# Altium PCB Working.PcbDoc (continued)
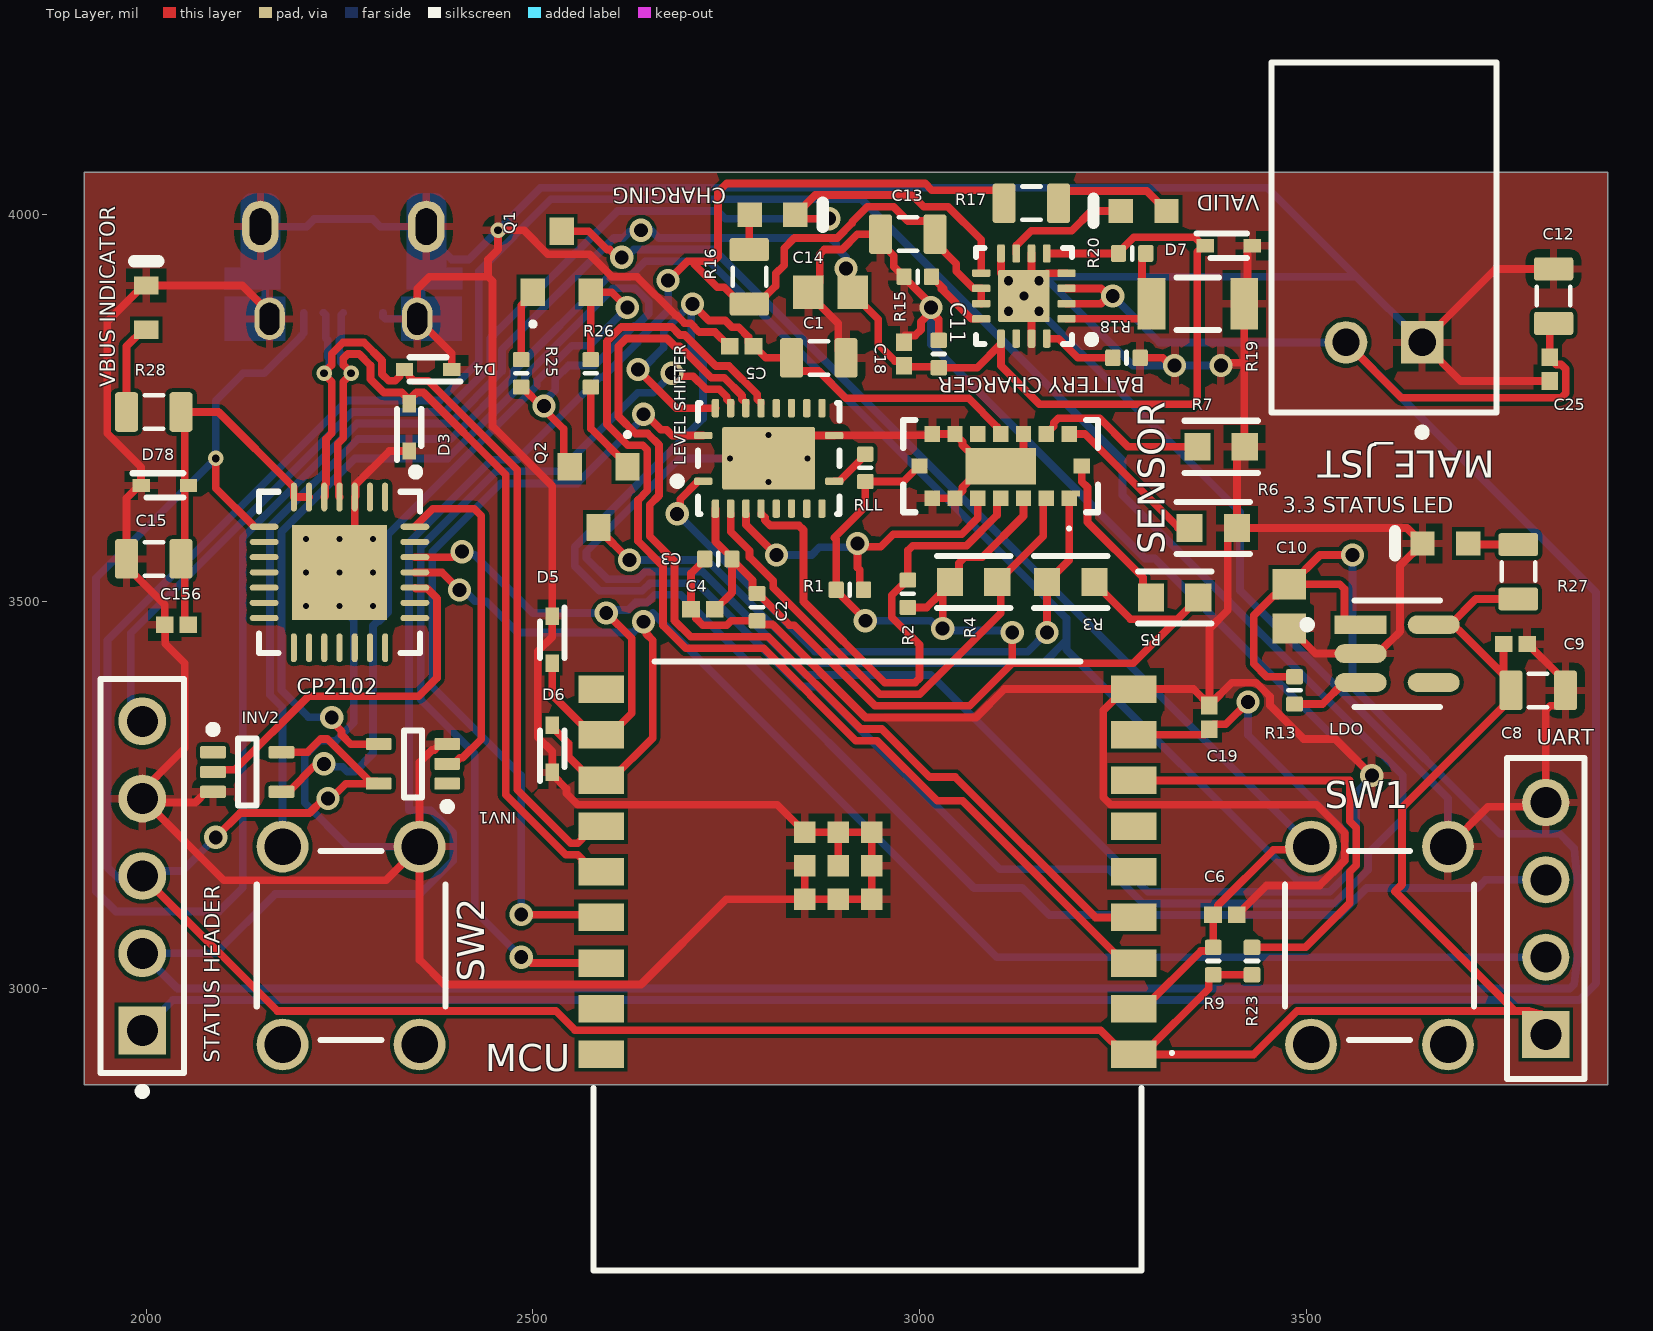
[diagram p0: Top Layer view]
## Part data (continued)
CHARGING VALID: library part CMP-007-00022-2, "LED Uni-Color Green, 100 mW, 30 mA, -55 to 85 degC, 2-Pin SMD, RoHS, Tape and Reel", Case/Package=0603, Colour=Green, Forward Current=20mA, Forward Voltage=2.1V, Manufacturer=Lite-On, Max Operating Temperature=85°C, Min Operating Temperature=-55°C, Package Description="2-Pin Surface Mount Device, Body 1.6 x 0.8 mm", Package Quantity=3000, Package Reference=C190GKT, Power=100mW, Datasheet URL=http://datasheet.octopart.com/LTST-C190GKT-Lite-On-datasheet-158530.pdf, Datasheet Version=Dec-06, Illumination Colour=Green, Lens Style=Clear, Luminous Intensity=6mcd, Manufacturer URL=http://www.us.liteon.com/, Mounting Technology=SM, Nominal Vf=2.1V, Packaging=TapeandReel, Pins=2, RoHS Compliant=True, Viewing Angle=130degrees
CP2102: library part CMP-053-000000-1, "Single-Chip USB to URAT Bridge, 3.3 V, -40 to 85 degC, 28-Pin QFN, RoHS, Tape and Reel", Manufacturer="Silicon Labs", Operating Supply Voltage (Max)=3.6V, Operating Supply Voltage (Min)=3V, Operating Supply Voltage (Typ)=3.3V, Operating Temperature (Max)=85C, Operating Temperature (Min)=-40C, Operating Temperature Classification=Industrial, Package Description="28-Pin Quad-Flat No-Leads Package, Body 5 x 5 mm, Pitch 0.5 mm", Package Reference=QFN-28, Package Type=QFNEP, Supply Current=26mA, Component Type=Standard, Data Rate=1000kbps, Datasheet URL=http://www.mouser.com/ds/2/368/CP2102-9-247052.pdf, Datasheet Version="Rev. 1.6, 12/2013", Design Item ID=CMP-2000-04924-1, Interface Circuit Standard 1=RS-232, Manufacturer URL=http://www.silabs.com/, Mounting=SurfaceMount, Number of Channels=1, Package URL=http://www.silabs.com/Support%20Documents/TechnicalDocs/C8051T61x.pdf, Packaging=TapeandReel, Pin Count=28, Rad Hardened=No, Source=CP2102UART.SchLib, Transmitter and Receiver FIFO Counter=No
D3 D4 D5 D6 D7 D78: library part CMP-004-00037-1, "ESD Suppressor Diode TVS Bi-Dir 4.7V 2-Pin SC-79", Manufacturer_Name="ProTek Devices", Arrow Part Number=RSB6.8S, Arrow Price/Stock=https://www.arrow.com/en/products/rsb6.8s/protek-devices?region=nac, Datasheet Link=https://static6.arrow.com/aropdfconversion/672096323c96f449a08c56f24341099c7ad028a0/rsb6_8s.pdf, Design Item ID=RSB6.8S, Height=0.7mm, Manufacturer_Part_Number=RSB6.8S, Source=SamacSys.SchLib
INV1 INV2: library part CMP-097-000000-1, "Single Schmitt-Trigger Inverter, DCK0005A, LARGE T&R", F @ Nom Voltage(Max)(Mhz)=150, Generic Part Number=SN74LVC1G14, ICC @ Nom Voltage(Max)(mA)=0.01, Manufacturer="Texas Instruments", Operating Temperature Range(C)="-40 to 125,-40 to 85", Rating=Catalog, tpd @ Nom Voltage(Max)(ns)=11,6.5,5.5,5, Voltage(Nom)(V)=182.5335kV, 3-State Output=No, Bits(#)=1, Component Type=Standard, DatasheetVersion=SCES218W, Design Item ID=CMP-0859-00440-4, Input Type=CMOS/TTL, Logic=Inverting, Output Drive (IOL/IOH)(Max)(mA)=32/-32, Output Type=CMOS, PackageReference=DCK0005A, Pin Count=5, Schmitt Trigger=Yes, Source=smallinverter.SchLib, Sub-Family="Inverting Buffer/Driver", Technology Family=LVC, VCC(Max)(V)=5.5, VCC(Min)(V)=1.65
LDO: library part CMP-12756-000035-1, "IC REG LINEAR 3.3V 600MA SOT25", Case/Package=SOT-23-5, Dropout Voltage=250mV, Max Input Voltage=6V, Max Operating Temperature=85°C, Max Output Current=600mA, Min Input Voltage=2.5V, Min Operating Temperature=-40°C, Output Voltage=3.3V, Package Quantity=1, Quiescent Current=55uA, Accuracy=1.5%, Height=1.3mm, Lead Free="Lead Free", Length=3.1mm, Mount="Surface Mount", Number of Outputs=1, Number of Pins=5, Number of Regulators=1, Output Current=600mA, Output Type=Fixed, Packaging="Tape and Reel", Polarity=Positive, Width=1.7mm
"LEVEL SHIFTER": library part CMP-04899-000066-1, "IC TRNSLTR BIDIRECTIONAL 20VQFN", Case/Package=VQFN, High Level Output Current=-50mA, Low Level Output Current=50mA, Max Operating Temperature=85°C, Max Supply Voltage=5.5V, Min Operating Temperature=-40°C, Min Supply Voltage=1.2V, Package Quantity=1, Quiescent Current=3uA, Data Rate=60Mbps, Lead Free="Lead Free", Logic Function=Translator, Mount="Surface Mount", Number of Bits=8, Number of Channels=8, Number of Inputs=8, Number of Pins=20, Output Type=Voltage, Packaging="Tape and Reel", Propagation Delay=4.8ns, Radiation Hardening=No, REACH SVHC="No SVHC", RoHS Compliant=Yes, Series=-, Turn-On Delay Time=312ns, Weight=0.001517oz
MALE_JST: library part CMP-002-00032-2, "Male Header, Pitch 2.5 mm, 1 x 2 Position, Height 6.1 mm, Tail Length 3.4 mm, -25 to 85 degC, RoHS, Bulk", Manufacturer=JST, Max Operating Temperature=85°C, Min Operating Temperature=-25°C, Package Description="XH Series Disconnectable Crimp Style Connector, Pitch 2.5 mm, 1 x 2 Position, Height 6.1 mm, Tail Length 3.4 mm", Case/Package=S2B-XH-A(LF)(SN), Connector Type=Header, Datasheet URL=http://www.jst-mfg.com/product/pdf/eng/eXH.pdf, Datasheet Version=May-16, Gender=Male, Manufacturer URL=http://www.jst.com/home2.html, Mounting Technology=TH, Package Reference=S2B-XH-A(LF)(SN), RoHS Compliant=Unknown
MCU: "Integrated Circuit", Manufacturer_Name="Espressif Systems", Mouser Part Number=356-ESP32C3WROOM02H4, Datasheet Link=https://www.mouser.in/datasheet/2/891/Espressif_Systems_04082021_ESP32_C3_WROOM_02-2295851.pdf, Height=3.35mm, Manufacturer_Part_Number=ESP32-C3-WROOM-02-H4, Mouser Price/Stock=https://www.mouser.co.uk/ProductDetail/Espressif-Systems/ESP32-C3-WROOM-02-H4?qs=stqOd1AaK79%2FSA14oWtR%252Bw%3D%3D
Q1 Q2: "Integrated Circuit", Manufacturer_Name=LRC, Datasheet Link=https://datasheet.datasheetarchive.com/originals/distributors/Datasheets-28/DSA-558356.pdf, Height=1.11mm, Manufacturer_Part_Number=L8050QLT1G
R1 R2: library part CMP-009-00166-3, "Chip Resistor, 2,2 kOhms, +/-5 %, 63 mW, -55 to 155 degC, 0402", Case/Package=0402, Max Operating Temperature=155°C, Min Operating Temperature=-55°C, Power=63mW, Tolerance=5%, Pins=2
R3 R4 R5 R6 R7: library part CMP-03412-046943-1, "RES 47kΩ 1.00% 0.2W 0603"
R9 R13 R20 R23 R25 R26 RLL: library part CMP-009-00149-3, "Chip Resistor, 10 kOhms, +/-1 %, 63 mW, -55 to 125 degC, 0402", Case/Package=0402, Max Operating Temperature=155°C, Min Operating Temperature=-55°C, Power=63mW, Tolerance=1%, Pins=2
R15: library part CMP-009-00145-3, "Chip Resistor, 3 kOhms, +/-1 %, 63 mW, -55 to 155 degC, 0402", Case/Package=0402, Max Operating Temperature=155°C, Min Operating Temperature=-55°C, Power=63mW, Tolerance=1%, Pins=2
R16 R17 R27 R28: library part CMP-009-00118-3, "Chip Resistor, 1 kOhms, +/-5%, 125 mW, -55 to 155 degC, 0805", Case/Package=0805, Max Operating Temperature=155°C, Min Operating Temperature=-55°C, Power=125mW, Tolerance=5%, Pins=2
R18: library part CMP-009-00138-3, "Chip Resistor, 2 kOhms, +/-5 %, 63 mW, -55 to 155 degC, 0402", Case/Package=0402, Max Operating Temperature=155°C, Min Operating Temperature=-55°C, Power=63mW, Tolerance=5%, Pins=2
R19: library part CMP-00030-87848304-1, "PLTU1206U2501LST5 Res SMD 2.5K Ohm 0.01% 0.4W 1206", Case Code (Imperial)=1206, Case Code (Metric)=3016, Max Operating Temperature=125°C, Max Power Dissipation=400mW, Min Operating Temperature=-55°C, Resistance=2.5kΩ, Temperature Coefficient=2ppm/°C, Tolerance=0.01%, Voltage Rating=200V, Case/Package=1206, Composition="Thin Film", Features="Moisture Resistant", Height=838.2µm, Length=3.2004mm, NexarPartId=87848304, Number of Terminations=2, Power Rating=400mW, RoHS=Compliant, Width=1.6002mm
SENSOR: "Undefined or Miscellaneous", Arrow Part Number=VL53L8CXV0GC/1, Manufacturer_Name=STMicroelectronics, Mouser Part Number=511-VL53L8CXV0GC/1, Arrow Price/Stock=https://www.arrow.com/en/products/vl53l8cxv0gc1/stmicroelectronics?utm_currency=USD&region=europe, Datasheet Link=https://www.st.com/resource/en/datasheet/vl53l8cx.pdf, Manufacturer_Part_Number=VL53L8CXV0GC/1, Mouser Price/Stock=https://www.mouser.co.uk/ProductDetail/STMicroelectronics/VL53L8CXV0GC-1?qs=T%252BzbugeAwjhc9idkQC%252BF8g%3D%3D
"STATUS HEADER": library part CMP-002-00072-1, "22-28-4050 KK® 254 Breakaway Header, Vertical, 5 Circuits, Tin (Sn) Plating, Mating Pin Length 6.09mm", Color=Black, Contact Resistance=20mO, Current Rating=4A, Flammability Rating="UL94 V-0", Max Operating Temperature=75°C, Min Operating Temperature=0°C, Voltage Rating=250.25kV, Voltage Rating (DC)=250V, Component Type=Standard, Connector Type="Male Pin", Contact Material=Brass, Contact Mating Length=6.096mm, Contact Plating=Tin, Design Item ID=CMP-00257-00278173-1, Gender=Male, Glow Wire Compliant=Non-compliant, Height=2.29mm, Housing Color=Black, Housing Material=Thermoplastic, Lead Free="Lead Free", Lead Pitch=2.54mm, Length=12.7mm, Mount="Through Hole", NexarPartId=278173, Number of Circuits=5, Number of Contacts=5, Number of Positions=5, Number of Rows=1, Orientation=Vertical, Packaging=Bulk, Pins=5, Pitch=2.54mm, Radiation Hardening=No, REACH SVHC=Unknown, RoHS=Compliant, Schedule B=8536694040, Source=5pin.SchLib, Termination=Solder, Width=2.49mm
SW1 SW2: library part CMP-011-00002-2, "Tactile Switch, SPST, 12 V, 50 mA, -20 to 80 degC, 4-Pin THD", Manufacturer="Shenzhen Best", Package Description="4-Pin Through Hole Device, Body 6.2 x 6.2 mm", Case/Package=TS-1109, Datasheet URL=http://datasheet.octopart.com/TS-1109-Best-Inc.-datasheet-30458100.pdf, Datasheet Version=Dec-12, Manufacturer URL=www.best-dz.com/, Mounting Technology=TH, Package Reference=TS-1109, RoHS Compliant=Unknown
UART: library part CMP-1024-00357-1, "0.025\" SQ Post Header, Through-hole, Vertical, -55 to 125 degC, 2.54 mm Pitch, 4-Pin, Male, RoHS", Manufacturer=Samtec, Temperature Range="-55 to 125 degC", ComponentLink1Description="Manufacturer URL", ComponentLink1URL=http://www.samtec.com, ComponentLink2Description=Datasheet, ComponentLink2URL=http://www.samtec.com/documents/webfiles/pdf/TSW_TH.PDF, ComponentLink3Description="Package Specification", ComponentLink3URL=http://www.samtec.com/documents/webfiles/cpdf/TSW-XXX-XX-XXX-X-XX-XXX-MKT.pdf, DatasheetVersion=F-214, Mounting Technology=Through-hole, Orientation=Vertical, PackageDescription=".025[0.64] SQ. Post Terminal Strip Assembly", PackageReference=TSW-104-08-X-S, PackageVersion="DM, 8/1988", PartNumber=TSW-104-08-G-S, Pitch="2.54 mm", RoHS=True
"USB MICRO": library part CMP-002-00038-2, "Micro USB 2.0 B Receptacle, 5 Position, Height 3.24 mm, -55 to 85 degC, RoHS, Tape and Reel", Case/Package=FCI-10103594-0001LF, Current Rating=1.8A, Manufacturer="FCI Electronics", Max Operating Temperature=85°C, Min Operating Temperature=-55°C, Package Description="5-Pin Surface Mount Device, Body 8.04 x 5.62 mm", Package Quantity=1500, Voltage Rating=100V, Connector Type=USB, Contact Material=Copper, Contact Plating=Gold, Datasheet URL=http://portal.fciconnect.com/Comergent//fci/drawing/10103594.pdf, Datasheet Version="Rev. A, 06/2010", Gender=Female, Lead Pitch=0.65mm, Manufacturer URL=http://portal.fciconnect.com/, Mounting Technology=SM, Package Reference=FCI-10103594-0001LF, Packaging=TapeandReel, Pins=5, RoHS Compliant=True
"VBUS INDICATOR": library part CMP-007-00030-2, "Red Led, 20mA, 2.1 V, -40 to 100 degC, 2-Pin SMD (0603), RoHS, Tape and Reel", Case/Package=0603, Colour=Red, Forward Current=20mA, Forward Voltage=2.1V, Manufacturer="Vishay Semiconductor", Max Operating Temperature=100°C, Min Operating Temperature=-40°C, Package Description="2-Pin Surface Mount Device, Body 1.6 x 0.8 mm", Package Quantity=3000, Package Reference=TLMX1100, Power=90mW, Datasheet URL=http://www.vishay.com/docs/83173/tlmb1100.pdf, Datasheet Version="Rev. 2.7, 03/2016", Illumination Colour=Red, Lens Style=Clear, Luminous Intensity=63mcd, Manufacturer URL=http://www.vishay.com/, Mounting Technology=SM, Nominal Vf=2.1V, Packaging=TapeandReel, Pins=2, RoHS Compliant=True, Viewing Angle=160degrees

## Via types
v1: diameter 30, hole 18, Top Layer to Bottom Layer, 36 vias
v2: diameter 19.68, hole 7.87, Top Layer to Bottom Layer, 13 vias
v3: diameter 19.68, hole 11.81, Top Layer to Bottom Layer, 5 vias
v4: diameter 20, hole 10, Top Layer to Bottom Layer, 4 vias

## Nets (pads, with @x,y where several pads share a name; then routed paths per layer and width w, separated by ;. In a path a pad name is that pad's centre, name@x,y a point inside that pad or via, vN(x,y) a via of type N, cw(c..) or ccw(c..) an arc to the next point about the centre after c; other vN are vias at no path point)
1.8V: "LEVEL SHIFTER.2" C2.2 C3.1 C4.1 R1.1 R2.1 R3.2 R4.2 R5.1 RLL.1 SENSOR.A3 SENSOR.B7 | length 1841.6
  Top Layer w10: C4.1 2736.14,3490 2757.72,3511.57 C3.1@2757.72,3554.02 ; 2736.1,3620.04 2736.1,3577.6 2757.72,3555.98 C3.1@2757.72,3554.02 ; v1(2930,3475) 2930,3476.3 2892.28,3514.02 R1.1 2892.28,3580.12 2890,3582.4 2930,3622.4 RLL.1 2979.27,3655 2995.89,3671.61 SENSOR.B7@2996.57,3671.61 ; R2.1 3009.46,3492.28 3027.52,3510.34 3027.52,3512.04 R4.2@3039.95,3524.47 ; v1(3030,3465) 3030,3514.53 R4.2@3039.95,3524.47 ; v1(3120,3460) 3120,3420 ; SENSOR.A3 3134.53,3610.47 3081.06,3557.01 3058.48,3557.01 3050.98,3549.51 3050.98,3533.81 3045.2,3528.02 3043.5,3528.02 R4.2@3039.95,3524.47 ; R3.2 3226.16,3523.95 3273.06,3477.04 3333.68,3477.04 ; R5.1 3360.58,3503.95 3333.68,3477.04 ; C3.1@2757.72,3554.02 2784.17,3527.56 2784.17,3515.28 2789.02,3510.43 C2.2 2790.98,3510.43 2832.05,3469.37 2838.2,3469.37 2942.57,3365 3065,3365 3120,3420 ; 3120,3420 3276.63,3420 3333.68,3477.04
  Bottom Layer w10: v1(2930,3475) 3014.59,3475 3024.59,3465 v1(3030,3465) 3032.5,3462.5 3117.5,3462.5 v1(3120,3460)
3.3V: "LEVEL SHIFTER.19" "STATUS HEADER.3" C1.1 C5.1 C8.2 C9.2 INV1.5 INV2.5 LDO.5 MCU.1 R9.2 R23.1 R27.1 SENSOR.C4 UART.1 | length 8611.1
  Top Layer w10: 1995,3145 2169.49,2970.51 2529.68,2970.51 2554.64,2945.55 3234.13,2945.55 3265.47,2914.21 MCU.1 ; v1(2090,3195) 2121.42,3226.42 2211.16,3226.42 2229.74,3245 v1(2235,3245) 2238.61,3245 2258.02,3264.41 2294.96,3264.41 2297.83,3267.28 2288.98,3267.28 2234.04,3322.22 2225.76,3322.22 2208.54,3305 INV2.5 ; v1(2635.83,3800) 2685.87,3749.96 2736.1,3749.96 ; v1(2706.65,3884.64) 2706.65,3884.41 2727.75,3863.31 2748.75,3863.31 2757.59,3854.47 2766.36,3854.47 2778.94,3841.9 2778.94,3835.63 2784.57,3830 C5.1 2786.14,3830 2801.14,3815 C1.1 2834.57,3808.11 2844.53,3798.15 2869.39,3798.15 2904.87,3762.67 3063.58,3762.67 3100.16,3726.09 3100.16,3721.5 SENSOR.C4 ; R23.1 R9.2 3379.02,3017.28 3374.17,3012.44 3374.17,2999.29 3289.09,2914.21 3432.11,2914.21 3488.41,2970.51 3769.49,2970.51 ; LDO.5 3690.59,3470 3690.59,3469.75 3697.46,3462.88 3697.71,3462.88 C8.2@3755.28,3405.31 ; LDO.5@3686.48,3470 3719.63,3503.15 R27.1 ; C8.2@3755.38,3405.31 C9.2 ; C8.2 3764.96,3374.37 3623.96,3233.37 3623.96,3133.96 3615,3125 3769.49,2970.51 ; UART.1@3803.63,2965.51 UART.1@3829.14,2940 ; UART.1@3803.63,2966.37 3787.77,2970.51 3769.49,2970.51 ; UART.1 UART.1@3810,2953.27
  Bottom Layer w10: 1980,3140 1965.98,3140 1950,3155.98 1950,3449.85 2260.15,3760 2380,3760 2430,3810 2430,3926.72 2523.28,4020 2925,4020 3262.5,3682.5 3262.5,3637.5 3625,3275 3625,3218.85 3579.97,3173.82 3579.97,3152.61 3536.85,3109.49 3288.93,3109.49 3244.75,3153.67 3103.9,3153.67 2867.57,3390 2846.36,3390 2712.65,3523.71 2651.64,3523.71 2641.64,3513.71 2586.29,3513.71 2554.14,3545.86 2554.14,3570.36 2720,3736.21 2720,3810.36 2705,3825.36 2705,3885 2669.38,3849.38 2669.38,3828.56 2640.83,3800 v1(2635.83,3800) ; 1995,3145 2001.32,3151.32 2046.32,3151.32 v1(2090,3195)
BOOT: C19.2 MCU.8 Q2.3 SW2.2 | length 3435.8
  Top Layer w10: Q2.3 2585,3593.66 2624.95,3553.71 v1(2625.08,3553.71) ; MCU.8 3368.74,3327.6 3375,3333.86 C19.2 3375,3335.43 3380.63,3341.06 3396.06,3341.06 v1(3425,3370)
  Bottom Layer w10: SW2.2 2176.42,3362.78 2160,3379.2 2160,3596.21 2273.79,3710 2393.64,3710 2475,3791.36 2475,3797.43 2597.57,3920 2625.36,3920 2645.36,3940 2728.16,3940 3190,3478.16 3190,3449.64 ; v1(2625.08,3553.71) 2725.08,3553.71 2858.79,3420 3160.36,3420 3190,3449.64 ; v1(3425,3370) 3425,3327.21 3549.88,3202.33 3549.88,3164.95 3524.42,3139.49 3488.41,3139.49 3190,3437.9 3190,3449.64
chargerstatus: "BATTERY CHARGER.9" "STATUS HEADER.5" CHARGING.2 | length 1636.7
  Top Layer w10: CHARGING.2 CHARGING.2@2843.81,4004.28 ; v1(2883.19,3995) 2850.28,3995 2843.81,4001.46 CHARGING.2@2843.81,4004.28 ; 3079.88,3924.53 3079.88,3967.66 3036.95,4010.59 3005.66,4010.59 2991.25,4025 2975,4025 2974.41,4025.59 2865.12,4025.59 CHARGING.2@2843.81,4004.28
  Bottom Layer w10: 1980,3340 1980,3458.64 2266.36,3745 2386.21,3745 2445,3803.79 2445,3840.36 2609.64,4005 2738.71,4005 2748.71,3995 v1(2883.19,3995)
DATA_N: "USB MICRO.2" CP2102.5 D4.2 MCU.13 | length 1186.7
  Top Layer w10: CP2102.5 2231.38,3636.06 2231.38,3650.83 2232.66,3652.11 2232.66,3710.04 2240,3717.38 2240,3784.14 2230,3794.14 v4(2230,3795) 2230,3795.86 2240,3805.86 2240,3820.36 2254.64,3835 2281.57,3835 2305,3811.57 2305,3793.87 2313.61,3785.26 2321.9,3785.26 2327.76,3791.11 2327.76,3796.34 2331.42,3800 D4.2 2336.54,3800 2340.2,3796.34 2340.2,3791.11 2346.05,3785.26 2364.87,3785.26 2480,3670.13 2480,3256.41 2548.95,3187.46 2557.92,3187.46 2563.78,3193.32 2563.78,3196.77 2576.5,3209.49 MCU.13
  Bottom Layer w10: 2229.41,3873.5 2232.28,3870.63 2232.28,3840.62 2234.7,3838.2 2234.7,3816.12 2236.68,3814.14 2236.68,3804.39 2230,3797.71 v4(2230,3795)
DATA_P: "USB MICRO.3" CP2102.4 D3.2 MCU.14 | length 1164.6
  Top Layer w10: CP2102.4 2248.94,3636.06 2248.94,3650.83 2247.66,3652.11 2247.66,3703.83 2255,3711.17 2255,3784.14 2265,3794.14 v4(2265,3795) 2265,3795.86 2255,3805.86 2255,3814.14 2260.86,3820 2275.36,3820 2290,3805.36 2290,3787.66 2307.4,3770.26 2330.48,3770.26 2336.34,3764.4 2336.34,3759.17 D3.2 2343.66,3759.17 2343.66,3764.4 2349.52,3770.26 2358.66,3770.26 2465,3663.92 2465,3250.2 2542.73,3172.46 2557.92,3172.46 2563.78,3166.6 2563.78,3163.15 2576.5,3150.43 MCU.14
  Bottom Layer w10: 2255,3873.5 2252.13,3870.63 2252.13,3840.62 2249.7,3838.2 2249.7,3822.33 2251.68,3820.36 2251.68,3809.17 2265,3795.86 v4(2265,3795)
DTR: INV1.4 Q2.2 R25.1 | length 1324.3
  Top Layer w10: v1(2240,3350) 2240,3344.59 2252.68,3331.91 2252.68,3327.32 2264.7,3315.3 2300.41,3315.3 INV1.4 ; R25.1 2485.98,3777.28 v1@2512.34,3750.92 ; v1(2514.35,3752.93) 2514.35,3748.58 2540,3722.93 2540,3681.97 Q2.2
  Bottom Layer w10: v1(2240,3350) 2239.59,3350.41 2210,3350.41 2175,3385.41 2175,3590 2270,3685 2389.85,3685 2490,3785.15 2490,3791.21 2603.79,3905 2632.57,3905 2650,3887.57 2650,3872.43 2634.13,3856.55 2631.2,3856.55 2579.64,3805 2546.21,3805 2529,3787.78 2529,3772.99 2514.35,3758.34 v1(2514.35,3752.93)
EN_ESP: C6.2 MCU.2 Q1.3 R9.1 SW1.2 | length 1651.9
  Top Layer w10: Q1.3 2572.47,3978.74 2596.21,3955 2599.59,3955 2609.59,3945 v1(2615,3945) ; MCU.2 3289.09,2973.27 3363.7,3047.87 3375.16,3047.87 R9.1 3379.82,3052.89 3379.82,3094.82 C6.2 3380.43,3095 3386.06,3100.63 3386.06,3106.9 3457.95,3178.79 3502.25,3178.79 SW1.2
  Bottom Layer w10: v1(2615,3945) 2620.41,3945 2630.41,3955 2734.37,3955 SW1.2
GND: "3.3 STATUS LED.2" "BATTERY CHARGER.4" "BATTERY CHARGER.6" "BATTERY CHARGER.8" "BATTERY CHARGER.15" "BATTERY CHARGER.17"@3135,3895 "LEVEL SHIFTER.11" "LEVEL SHIFTER.21" "STATUS HEADER.4" "USB MICRO.5" "USB MICRO.6" "USB MICRO.7" "USB MICRO.8" "USB MICRO.9" "USB MICRO.10" "USB MICRO.11" "VBUS INDICATOR.2" C1.2 C2.1 C3.2 C4.2 C5.2 C6.1 C8.1 C9.1 C10.1 C11.1 C12.2 C13.1 C14.1 C15.1 C18.1 C19.1 C25.1 C156.1 CP2102.3 CP2102.29 D3.1 D4.1 D5.1 D6.1 D7.2 D78.1 INV1.3 INV2.3 LDO.2 MALE_JST.1 MCU.9 MCU.19 MCU.20 MCU.21 MCU.22 MCU.23 MCU.24 MCU.25 MCU.26 MCU.27 R6.2 R7.2 R15.1 R18.2 R19.1 SENSOR.A6 SENSOR.A7 SENSOR.B4 SENSOR.C3 SENSOR.C6 SENSOR.C7 SW1.4 SW2.4 UART.4 | length 16107.8
  Top Layer w10: 1995,3245 2000,3240 ; C156.1 2023.91,3495.63 1985.13,3534.41 1984.53,3534.41 1974.57,3544.37 C15.1 1974.57,3633.33 1991.24,3650 D78.1 1993.4,3650.39 1993.4,3673.66 1949.61,3717.46 1949.61,3862.09 1996.06,3908.54 2000,3908.54 2124.29,3908.54 2159.53,3873.31 2159.53,3865.43 ; C156.1@2024.7,3470 2024.7,3445.3 2050,3420 2050,3310 1980,3240 2000,3240 ; INV2.3 2077.56,3253.82 2063.74,3240 2000,3240 ; CP2102.29@2256.38,3580.87 2269.68,3594.17 CP2102.3 2270.75,3636.06 2270.75,3650.85 2314.38,3694.49 D3.1 ; INV1.3 2380.43,3315.59 2372.72,3307.87 2369.57,3307.87 2353.58,3291.89 SW2.4 ; D4.1 2395,3820.91 2350.47,3865.43 2350.47,3904.02 2366.46,3920 2442.14,3920 ; C3.2 2722.28,3554.02 2704.65,3536.38 C4.2 2705.43,3490 2711.06,3484.37 2711.06,3478.1 2719.79,3469.37 2750.91,3469.37 2756.54,3475 C2.1 2794.84,3470.16 2810.05,3470.16 2930.2,3350 3073.15,3350 3109.81,3386.65 MCU.9@3265.47,3386.65 ; C5.2 2753.86,3830 2735.55,3848.31 2715.4,3848.31 2704.07,3859.64 2696.3,3859.64 2685.94,3870 2684.64,3870 2634.64,3920 2602.41,3920 2573.37,3949.04 2519.49,3949.04 2488.53,3980 v4(2455,3980) 2454.93,3979.93 2454.93,3955 2442.14,3942.22 2442.14,3920 ; v2@2805.98,3714.53 2889.65,3714.53 2889.92,3714.8 3014.57,3714.8 SENSOR.C7 SENSOR.C6 3045.94,3716.36 3055.63,3706.67 3055.63,3702.37 3061.49,3696.52 SENSOR.B4@3083.03,3675 ; MCU.20 MCU.21 ; MCU.19 MCU.26 ; C1.2 2895.08,3824.96 2895.08,3859.41 2856.46,3898.03 2871.14,3912.72 2871.14,3949.14 2877,3955 2899.76,3955 2919.76,3975 C13.1 2949.57,3964.37 2966.85,3947.09 2966.85,3933.15 R15.1 2980,3919.02 3015,3884.02 v1(3015,3880) ; C18.1 2981.18,3836.54 2981.18,3844.02 2994.7,3844.02 3002,3851.32 3002,3861.59 3015,3874.59 3025,3864.59 C11.1 ; SENSOR.A7 SENSOR.A6 3045.94,3633.64 3055.63,3643.33 3055.63,3647.63 3061.49,3653.48 SENSOR.B4@3083.03,3675 ; 3105.47,3950.12 3105.55,3950.04 3105.55,3924.45 v3(3115.31,3914.68) ; SENSOR.C3 3134.53,3693.62 3115.91,3675 SENSOR.B4 SENSOR.B4@3083.03,3675 ; 3144.84,3839.88 3144.84,3866.54 3153.62,3875.32 v3(3154.68,3875.32) ; 3144.84,3950.12 3144.84,3923.46 3153.62,3914.68 v3(3154.68,3914.68) 3164.45,3924.45 3190.04,3924.45 3190.12,3924.53 ; R18.2 3314.59,3815 3324.59,3805 v1(3330,3805) ; C19.1 C19.1@3375,3366.14 ; v1(3390,3805) 3393.83,3808.83 3418.83,3808.83 3420,3810 ; C6.1 3411.14,3095 3448.93,3132.79 3517.72,3132.79 3549.88,3164.95 3549.88,3200.96 3513.63,3237.2 3247.24,3237.2 3237.76,3246.68 3237.76,3358.94 MCU.9@3265.47,3386.65 ; R19.1 3420,3810 ; R19.1@3424.29,3885 3424.29,3956.34 3427.95,3960 D7.2 ; C10.1 3480.02,3465 3512.42,3432.6 LDO.2 3592.6,3432.6 3607.88,3447.88 3608.22,3447.88 3621.4,3461.06 3621.4,3545.92 3650.47,3575 3630.47,3595 R6.2 ; v1(3585,3275) 3537.84,3322.16 3496.75,3322.16 3453.41,3365.5 3453.41,3376.94 3435.36,3395 3403.86,3395 C19.1@3375,3366.14 ; SW1.4 3735.2,3234.57 3804.57,3234.57 UART.4 3810,3359.14 3815.86,3365 3825.47,3365 3835.43,3374.96 C8.1 3825.47,3394.96 3825.47,3406.4 3786.87,3445 C9.1 ; C25.1 3700,3785 MALE_JST.1 3745.04,3930.04 C12.2 ; 2000,3240 2100.51,3139.49 2310.12,3139.49 SW2.4 ; SW2.4 2353.58,3036.42 2385.39,3004.61 2639.93,3004.61 2750.32,3115 MCU.21 ; 2442.14,3920 2448,3914.14 2448,3726.36 2525,3649.36 D5.1 2525,3454.02 2506.34,3435.36 2506.34,3324.64 2525,3305.98 D6.1 2525,3276.42 2543.46,3257.96 2543.46,3252 2558.26,3237.2 2816.1,3237.2 MCU.27 MCU.26 ; MCU.21 MCU.22 MCU.23 MCU.24 MCU.25 MCU.26 ; MCU.9@3265.47,3386.65 MCU.9 3354.49,3386.65 C19.1@3375,3366.14 ; C19.1@3375,3366.14 3375,3465.07 3398.68,3488.75 3398.68,3583.1 R6.2 ; R6.2 3410.58,3690 R7.2 3420,3700.58 3420,3810
  Bottom Layer w10: 2153.91,3871.05 2153.91,3978.53 2147.72,3984.72 2207.26,3984.72 2217.11,3994.57 2292.89,3994.57 2302.74,3984.72 2362.28,3984.72 ; v2(2250,3494.25) 2268.4,3475.85 2268.4,3343.05 2245.36,3320 2224.64,3320 2205,3300.36 2205,3239.64 2261.69,3182.95 SW2.4 ; 2306.18,3873.5 2306.18,3868.31 2309.06,3865.43 2350.47,3865.43 ; 2356.09,3871.05 2356.09,3978.53 2362.28,3984.72 ; v2(2805,3654.49) 2833.66,3683.15 2853.34,3683.15 v2(2855.2,3685) 2853.34,3686.85 2833.66,3686.85 ; v2(2805,3715.51) 2776.34,3686.85 2756.66,3686.85 v2(2754.8,3685) 2690,3685 2569.28,3564.28 2569.28,3555.99 2596.56,3528.71 2635.43,3528.71 2645.43,3538.71 2718.86,3538.71 2852.57,3405 3014.63,3405 3295.14,3124.49 3530.63,3124.49 3564.88,3158.74 3564.88,3252.69 3585,3272.81 v1(3585,3275) 3304.44,3555.56 3291.73,3555.56 3015,3832.29 v1(3015,3880) ; v3(3115.31,3914.68) 3117.94,3914.68 3123.25,3920 3154.68,3920 3565,3920 ; v3(3154.68,3875.32) 3414.61,3615.39 3414.61,3514.17 3683.58,3245.2 SW1.4 ; v3(3154.68,3914.68) 3166.42,3914.68 3276.1,3805 v1(3330,3805) v1(3390,3805) ; MALE_JST.1 3565,3920 ; 2362.28,3984.72 2362.28,3974.88 2394.95,3942.22 2417.22,3942.22 v4(2455,3980) 2510,4035 3450,4035 3565,3920
  other v2: 2206.69,3494.25 2293.31,3494.25 2206.69,3537.56 2250,3537.56 2293.31,3537.56 2206.69,3580.87 2250,3580.87 2293.31,3580.87
  other v3: 3115.31,3875.32 3135,3895
i2c: R6.1 SENSOR.C1 | length 191.8
  Top Layer w10: SENSOR.C1 3213.82,3716.65 3334.42,3596.05 R6.1@3334.42,3595
INT: "LEVEL SHIFTER.20" MCU.15 | length 1059.3
  Top Layer w10: v1(2485,3095) 2584.68,3095 MCU.15 ; v1(2643.27,3742.09) 2645.84,3742.09 2665.77,3722.16 2672.84,3722.16 2680.47,3714.53 2720.35,3714.53
  Bottom Layer w10: v1(2485,3095) 2485,3274.78 2370,3389.78 2370,3564.14 2458.52,3652.66 2557.66,3652.66 2643.27,3738.27 v1(2643.27,3742.09)
INT_s: "LEVEL SHIFTER.1" R3.1 SENSOR.1 SENSOR.A1 | length 800.7
  Top Layer w10: v1(2686.71,3613.29) 2690.54,3617.12 2690.54,3632.19 2713.54,3655.2 ; v1(3165,3460) R3.1 3193.58,3553.58 SENSOR.A1
  Bottom Layer w10: v1(2686.71,3613.29) 2865,3435 3140,3435 v1(3165,3460)
LPN: "LEVEL SHIFTER.18" MCU.16 | length 1202.7
  Top Layer w10: v1(2485,3040) 2490.41,3040 2498.09,3032.32 MCU.16 ; v1(2680.18,3795.18) 2684,3791.35 2707.21,3791.35 2724.19,3774.37 2741.21,3774.37 2750.83,3764.75 2750.83,3761.46 2755.51,3756.77
  Bottom Layer w10: v1(2485,3040) 2425,3100 2425,3302.88 2355,3372.88 2355,3570.36 2452.93,3668.28 2534.11,3668.28 2635.83,3770 2655.86,3770 2680.18,3794.32 v1(2680.18,3795.18)
LPN_s: "LEVEL SHIFTER.3" R4.1 SENSOR.A2 | length 685.9
  Top Layer w10: 2755.79,3613.23 2755.79,3590.3 2780.35,3565.73 2780.35,3557.08 2810.83,3526.61 2810.83,3517.96 2948.79,3380 3000.36,3380 3105,3484.64 3105,3529.42 3159.92,3584.34 3159.92,3629.22 SENSOR.A2
"Net3.3 STATUS LED_1": "3.3 STATUS LED.1" R27.2 | length 65.5
  Top Layer w10: 3709.53,3575 3710.91,3573.62 R27.2
"NetBATTERY CHARGER_1": "BATTERY CHARGER.1" R19.2 R20.1 | length 193.8
  Top Layer w10: 3190.12,3865.47 3287,3865.47 3300,3878.47 R19.2 3287.87,3897.13 3287.87,3945.16 R20.1
"NetBATTERY CHARGER_7": "BATTERY CHARGER.7" VALID.2 | length 163.9
  Top Layer w10: 3125.16,3950.12 3125.24,3950.2 3125.24,3960.23 3144.41,3979.41 3196.91,3979.41 3222.5,4005 VALID.2
"NetBATTERY CHARGER_12": "BATTERY CHARGER.12" R15.2 | length 92.5
  Top Layer w10: R15.2 3031.26,3904.17 3028.54,3904.17 3067.17,3865.55 3079.8,3865.55 3079.88,3865.47
"NetBATTERY CHARGER_16": "BATTERY CHARGER.16" R18.1 | length 95.8
  Top Layer w10: 3164.53,3839.88 3180,3839.88 3204.88,3815 R18.1
NetC15_2: C15.2 C156.2 CP2102.6 CP2102.7 D78.2 R28.2 | length 496
  Top Layer w10: C15.2@2039.83,3555 2049.93,3565.1 2049.93,3646.34 D78.2@2053.59,3650 ; C15.2@2049.83,3545 2049.83,3474.79 C156.2 ; D78.2 D78.2@2053.59,3650 ; CP2102.6 CP2102.7 2190.94,3647.64 2093.58,3745 R28.2 2049.93,3740.11 2049.93,3653.66 D78.2@2053.59,3650
"NetCHARGING STATUS LED_1": CHARGING.1 R16.2 | length 44.9
  Top Layer w10: R16.2@2780.47,3955.51 2780,3955.98 2780,3999.53 CHARGING.1
NetCP2102_24: CP2102.24 INV2.2 | length 477.4
  Top Layer w10: INV2.2 2089.29,3282.28 2114.69,3282.28 2209.91,3377.51 2352.51,3377.51 2376.14,3401.14 2376.14,3503.96 2363.29,3516.81 2348.5,3516.81 CP2102.24
NetCP2102_28: CP2102.28 INV1.2 | length 445.5
  Top Layer w10: CP2102.28 2370.83,3620 2424.14,3620 2433.31,3610.83 2433.31,3322.02 2409.01,3297.72 2405.87,3297.72 2398.15,3290 INV1.2
NetLDO_3: LDO.3 R13.2 | length 97
  Top Layer w10: R13.2 3521.07,3367.28 3548.99,3395.2 LDO.3
"NetLEVEL SHIFTER_10": "LEVEL SHIFTER.10" RLL.2 | length 56.1
  Top Layer w10: 2889.65,3655.47 2896.18,3655.47 2924.17,3683.46 2924.17,3685.59 2929.02,3690.43 RLL.2
NetMCU_7: MCU.7 R23.2 | length 594.9
  Top Layer w10: MCU.7 3556.46,3268.54 3556.46,3215.59 3564.88,3207.17 3564.88,3158.74 3556.46,3150.31 3556.46,3110.02 3499.16,3052.72 R23.2
NetQ1_1: Q1.1 R25.2 | length 93.5
  Top Layer w10: R25.2 2485,3883.03 2500,3898.03 Q1.1
NetQ2_1: Q2.1 R26.2 | length 126.1
  Top Layer w10: R26.2@2577.5,3779.78 R26.2 2575,3723.74 2622.4,3676.34 Q2.1
NetR5_2: R5.2 SENSOR.B1 | length 207
  Top Layer w10: SENSOR.B1 3210.04,3654.97 3217.36,3647.65 3217.36,3602.64 3289.17,3530.83 3289.17,3515.25 R5.2
NetR7_1: R7.1 SENSOR.C2 | length 221.6
  Top Layer w10: SENSOR.C2 3164.06,3716.95 3173.74,3726.63 3173.74,3730.93 3179.6,3736.79 3232.95,3736.79 3269.74,3700 R7.1
NetR17_2: R17.2 VALID.1 | length 160.1
  Top Layer w10: R17.2 3180,4020.79 3189.96,4030.75 3293.78,4030.75 VALID.1
NetR28_1: "VBUS INDICATOR.1" R28.1 | length 119.3
  Top Layer w10: R28.1 1974.57,3829.96 1996.06,3851.46 2000,3851.46
RTS: INV2.4 Q1.2 R26.1 | length 1017.5
  Top Layer w10: INV2.4 2177.87,3256.69 2186.73,3256.69 2216.21,3286.17 2226.17,3286.17 v1(2230,3290) ; R26.1 2575,3899.8 Q1.2 2602.22,3900 v1(2622.22,3880)
  Bottom Layer w10: v1(2230,3290) 2233.83,3286.17 2253.83,3286.17 2260,3280 2270,3280 2293.31,3303.31 2293.31,3468.55 2299.16,3474.41 2301.53,3474.41 2313.15,3486.03 2313.15,3587.08 2505,3778.93 2505,3785 2550.59,3830.59 2572.8,3830.59 v1(2622.22,3880)
RXD: CP2102.26 D5.2 MCU.11 UART.3 | length 2038.5
  Top Layer w10: CP2102.26 2395.75,3557.24 2402.9,3564.39 v1(2408.31,3564.39) ; D5.2 2525,3379.09 2576.5,3327.6 MCU.11 2600.12,3327.6 2627.83,3355.32 2627.83,3452.17 v1(2595,3485)
  Bottom Layer w10: v1(2408.31,3564.39) 2412.14,3560.57 2424.43,3560.57 2500,3485 v1(2595,3485) 2598.83,3488.83 2622.99,3488.83 2632.87,3498.71 2647.86,3498.71 2657.86,3508.71 2691.29,3508.71 3070.51,3129.49 3133.09,3129.49 3168.09,3094.49 3543.06,3094.49 3578.06,3129.49 3721.59,3129.49 3732.1,3140 UART.3@3830,3140
SCL: "LEVEL SHIFTER.17" MCU.4 | length 1362.7
  Top Layer w10: 2775.2,3756.77 2770.51,3761.46 2770.51,3766.28 2747.42,3789.37 2730.63,3789.37 2695,3825 2694.64,3825 2690,3829.64 2683.87,3829.64 2673.51,3840 2620.86,3840 2610.83,3829.97 2610.83,3739.17 2632.91,3717.09 2648.51,3717.09 2663.15,3702.44 2663.15,3636.94 2651.1,3624.9 2651.1,3584.25 2683.23,3552.13 2683.23,3475.23 2704.09,3454.37 2804.62,3454.37 2923.99,3335 2951.36,3335 3013.49,3272.87 3046.13,3272.87 3227.63,3091.38 MCU.4
SCL_s: "LEVEL SHIFTER.4" R1.2 SENSOR.A5 | length 438.4
  Top Layer w10: 2775.75,3613.23 2775.75,3599.25 v1(2815,3560) ; v1@2920,3570 2920.74,3570.74 2950,3570.74 2966.27,3587.01 3054.58,3587.01 3075.47,3607.9 SENSOR.A5 ; v1(2920,3575) 2920,3543.42 2922.87,3540.54 2922.87,3519.84 R1.2
  Bottom Layer w10: v1(2815,3560) 2860.59,3560 2870.59,3570 v1@2920,3570
SDA: "LEVEL SHIFTER.16" MCU.3 | length 1459.7
  Top Layer w10: 2794.88,3756.77 2790.2,3761.46 2790.2,3767.81 2753.63,3804.37 2736.84,3804.37 2696.57,3844.64 2690.09,3844.64 2679.73,3855 2614.64,3855 2595.83,3836.18 2595.83,3729.17 2622.91,3702.09 2626.7,3702.09 2642.29,3702.09 2648.15,3696.23 2648.15,3680.64 2648.15,3643.16 2636.1,3631.11 2636.1,3578.04 2668.23,3545.91 2668.23,3469.01 2697.87,3439.37 2798.41,3439.37 2917.78,3320 2945.15,3320 3022.94,3242.2 3055.59,3242.2 3265.47,3032.32 MCU.3
SDA_s: "LEVEL SHIFTER.5" R2.2 SENSOR.A4 | length 700.4
  Top Layer w10: 2795.43,3613.23 2800.12,3608.54 2800.12,3605.25 2807.14,3598.23 2844.14,3598.23 2850,3592.37 2850,3500 2955,3395 2994.14,3395 3000,3400.86 3000,3443.91 2964.17,3479.74 2964.17,3507.87 2984.02,3527.72 R2.2 2985,3565.79 2991.21,3572.01 3060.79,3572.01 3100.16,3611.37 3100.16,3628.5 SENSOR.A4
TXD: CP2102.25 D6.2 MCU.12 UART.2 | length 2038.9
  Top Layer w10: CP2102.25 2382.44,3537.56 v1(2405,3515) ; D6.2 2525,3337.44 2546.22,3316.22 2546.22,3298.82 2576.5,3268.54 MCU.12 2600.12,3268.54 2655,3323.43 2655,3450 2647.06,3457.94 2647.06,3469.88 v1(2643.23,3473.71)
  Bottom Layer w10: v1(2405,3515) 2410.41,3515 2425.16,3500.25 2439.75,3500.25 2480,3460 2630,3460 v1@2643.47,3473.47 ; v1(2643.23,3473.71) v1@2643.47,3473.47 ; UART.2 3100,3040 2655,3485 2649.11,3479.11 v1@2643.47,3473.47
VBAT: "BATTERY CHARGER.2" "BATTERY CHARGER.3" "STATUS HEADER.1" C12.1 C25.2 MALE_JST.2 | length 3731.9
  Top Layer w10: 3190.12,3885.16 3234.75,3885.16 3244.59,3895 3234.75,3904.84 3190.12,3904.84 ; MALE_JST.2 3622.99,3763.58 3829.77,3763.58 3835.63,3769.44 3835.63,3800.56 3829.77,3806.42 3823.5,3806.42 3815,3814.92 C25.2 3815,3854.57 C12.1
  Bottom Layer w10: 1995,2945 2034.49,2984.49 3852.99,2984.49 3875,3006.49 3875,3511.57 MALE_JST.2 3310,3835 v1(3250,3895)
VBUS: "BATTERY CHARGER.5" "BATTERY CHARGER.13" "USB MICRO.1" C11.2 C14.2 C18.2 CP2102.8 D7.1 R20.2 | length 3685.7
  Top Layer w10: v4(2090,3685) 2090,3646.54 CP2102.8@2138.86,3597.68 ; v1(2905,3930.56) 2905,3906.57 2946.73,3864.85 2946.73,3832.44 2968.1,3811.06 2974.37,3811.06 2980,3805.43 C18.2 2981.18,3803.46 3023.82,3803.46 C11.2 3074.61,3802.28 3105.47,3833.15 3105.47,3839.88 ; 3105.47,3833.07 3105.47,3804.79 3155.27,3755 3353.32,3755 3359.17,3760.86 3359.17,3952.24 3366.93,3960 3356.1,3970.83 3277.13,3970.83 3257.28,3950.98 R20.2 3164.61,3950 3164.53,3950.08
  Bottom Layer w10: 2203.82,3873.5 2203.82,3846.93 2200.94,3844.05 2200.94,3843.3 2152.65,3795 2125.32,3795 2090,3759.68 v4(2090,3685) 1935,3530 1935,3125 1960.91,3099.09 2094.09,3099.09 2125,3130 2125,3582.43 2272.57,3730 2392.43,3730 2460,3797.57 2460,3825.36 2604.64,3970 2617.02,3970 2636.16,3989.14 2640,3989.14 v1(2640,3980) ; v1@2643.54,3989.44 2662.98,3970 2885,3970 2892.47,3962.53 2892.47,3957.64 2905,3945.11 v1(2905,3930.56)
VSYS: "BATTERY CHARGER.10" "BATTERY CHARGER.11" "STATUS HEADER.2" C10.2 C13.2 LDO.1 R13.1 R16.1 R17.1 | length 5507.7
  Top Layer w10: v1(2675,3915) 2700,3940 2733.55,3940 2739.41,3945.86 2739.41,4029.14 2750.86,4040.59 3007.4,4040.59 3016.14,4031.85 3099.57,4031.85 3109.53,4021.89 R17.1 ; 2708.71,3936.29 2738.67,3906.33 2747.61,3906.33 2769.37,3884.57 R16.1 2790.63,3884.57 2814.11,3908.05 2814.11,3924.11 2825,3935 2825,3956.72 2838.28,3970 2893.55,3970 2913.1,3989.55 2913.1,3991.04 2932.66,4010.59 2966.48,4010.59 2985.22,3991.85 3010.08,3991.85 3020.04,3981.89 C13.2 3020.04,3964.37 3047.54,3936.87 3047.54,3927.15 3069.77,3904.92 3079.8,3904.92 3079.88,3904.84 3079.88,3885.16 ; R13.1@3484.02,3402.72 3448.85,3402.72 3432.28,3419.29 3432.28,3481.79 3457.9,3507.4 3463.36,3507.4 C10.2 C10.2@3480.02,3522.09 ; v1(3560,3560) 3517.93,3560 C10.2@3480.02,3522.09 ; LDO.1 3556.64,3470 3549.52,3477.12 3549.52,3516.23 3543.66,3522.09 C10.2@3480.02,3522.09
  Bottom Layer w10: v1(2675,3915) 2675,3876.21 2635.24,3836.45 2635.24,3834.76 2590.47,3790 2586.78,3790 2480.06,3683.28 2446.72,3683.28 2340,3576.57 2340,3230.1 2367.9,3230.1 2397.05,3200.96 2397.05,3164.95 2353.66,3121.56 2166.56,3121.56 2090,3045 1995,3045 2040.51,2999.49 3836.78,2999.49 3840.92,2999.49 3846.78,3005.35 3850.24,3035.35 ccw(c3810,3040) 3850.51,3040 3850.51,3140 ccw(c3810,3140) 3850.27,3144.4 3846.78,3180.47 ; v1(3560,3560) 3560,3390 3750.51,3199.49 3827.8,3199.49 3843.85,3183.44 3846.78,3180.51
pads on no net: "BATTERY CHARGER.14" "BATTERY CHARGER.17"@3135,3895 "LEVEL SHIFTER.6" "LEVEL SHIFTER.7" "LEVEL SHIFTER.8" "LEVEL SHIFTER.9" "LEVEL SHIFTER.12" "LEVEL SHIFTER.13" "LEVEL SHIFTER.14" "LEVEL SHIFTER.15" "USB MICRO.4" CP2102.1 CP2102.2 CP2102.9 CP2102.10 CP2102.11 CP2102.12 CP2102.13 CP2102.14 CP2102.15 CP2102.16 CP2102.17 CP2102.18 CP2102.19 CP2102.20 CP2102.21 CP2102.22 CP2102.23 CP2102.27 INV1.1 INV2.1 LDO.4 MCU.5 MCU.6 MCU.10 MCU.17 MCU.18 SENSOR.C5 SW1.1 SW1.3 SW2.1 SW2.3

## Polygon pours and split planes (outlines as drawn)
GND on Top Layer "GND_L01_P000" (solid, remove dead copper, pour order 0): 1920,2875 1920,4055 3890,4055 3890,2875
GND on Bottom Layer "GND_L02_P008" (solid, remove dead copper, pour order 8): 1920,2875 1920,4055 3890,4055 3890,2875

## Silkscreen, mask and mechanical layers (free items; w line width, h text height)
Bottom Overlay:
  drawing of 831 lines, arcs and shapes, not listed
  text "Designed by Dhana" at 3270,3896.66 h35
  text "charger status" at 2296.6,3336.66 h20
  text "GND" at 2083.33,3235 h20
  text "GND" at 3765,3220 h20
  text "3.3" at 2080,3135 h20
  text "RXD" at 3765,3125 h20
  text "VSYS" at 2103.33,3035 h20
  text "TXD" at 3765,3030 h20
  text "3.3" at 3765,2950 h20
  text "VBAT" at 2103.33,2935 h20
Mechanical 1:
  the board outline again, w10

## Dimensions
1920,2875 to 1920,4055 on Mechanical 1
1920,2875 to 3890,2875 on Mechanical 1